# Allegro board MM851_V1.0_180330.brd
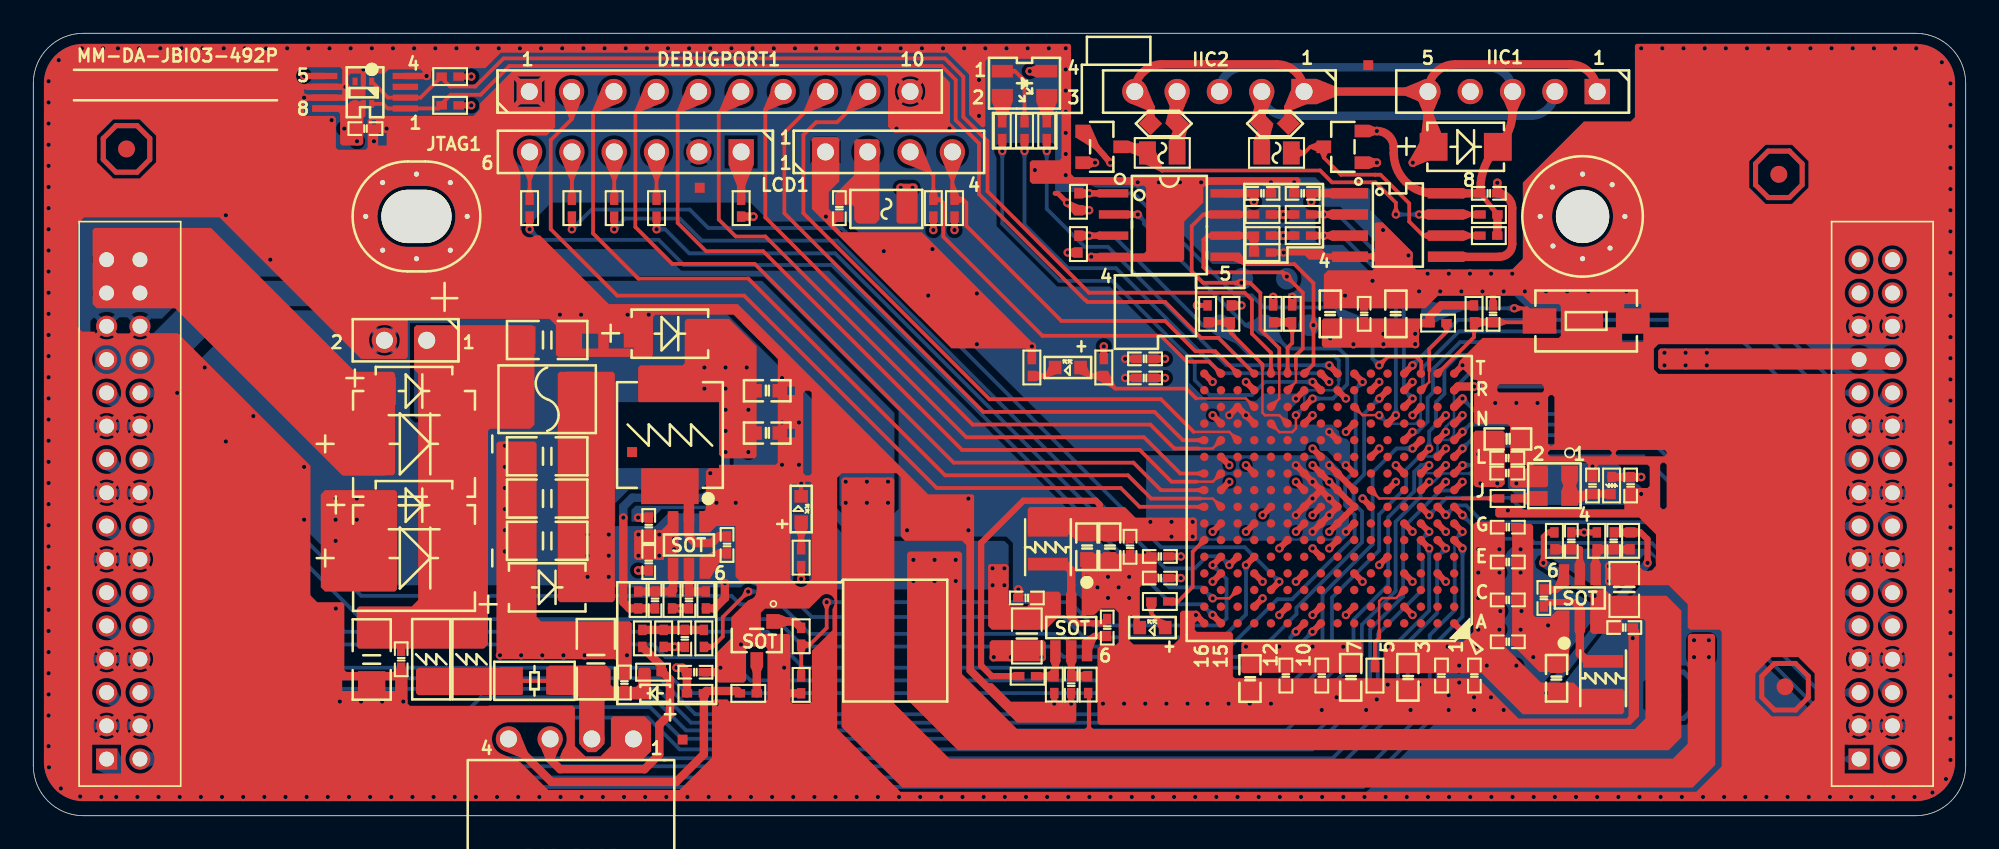
[diagram p0: board, top side]
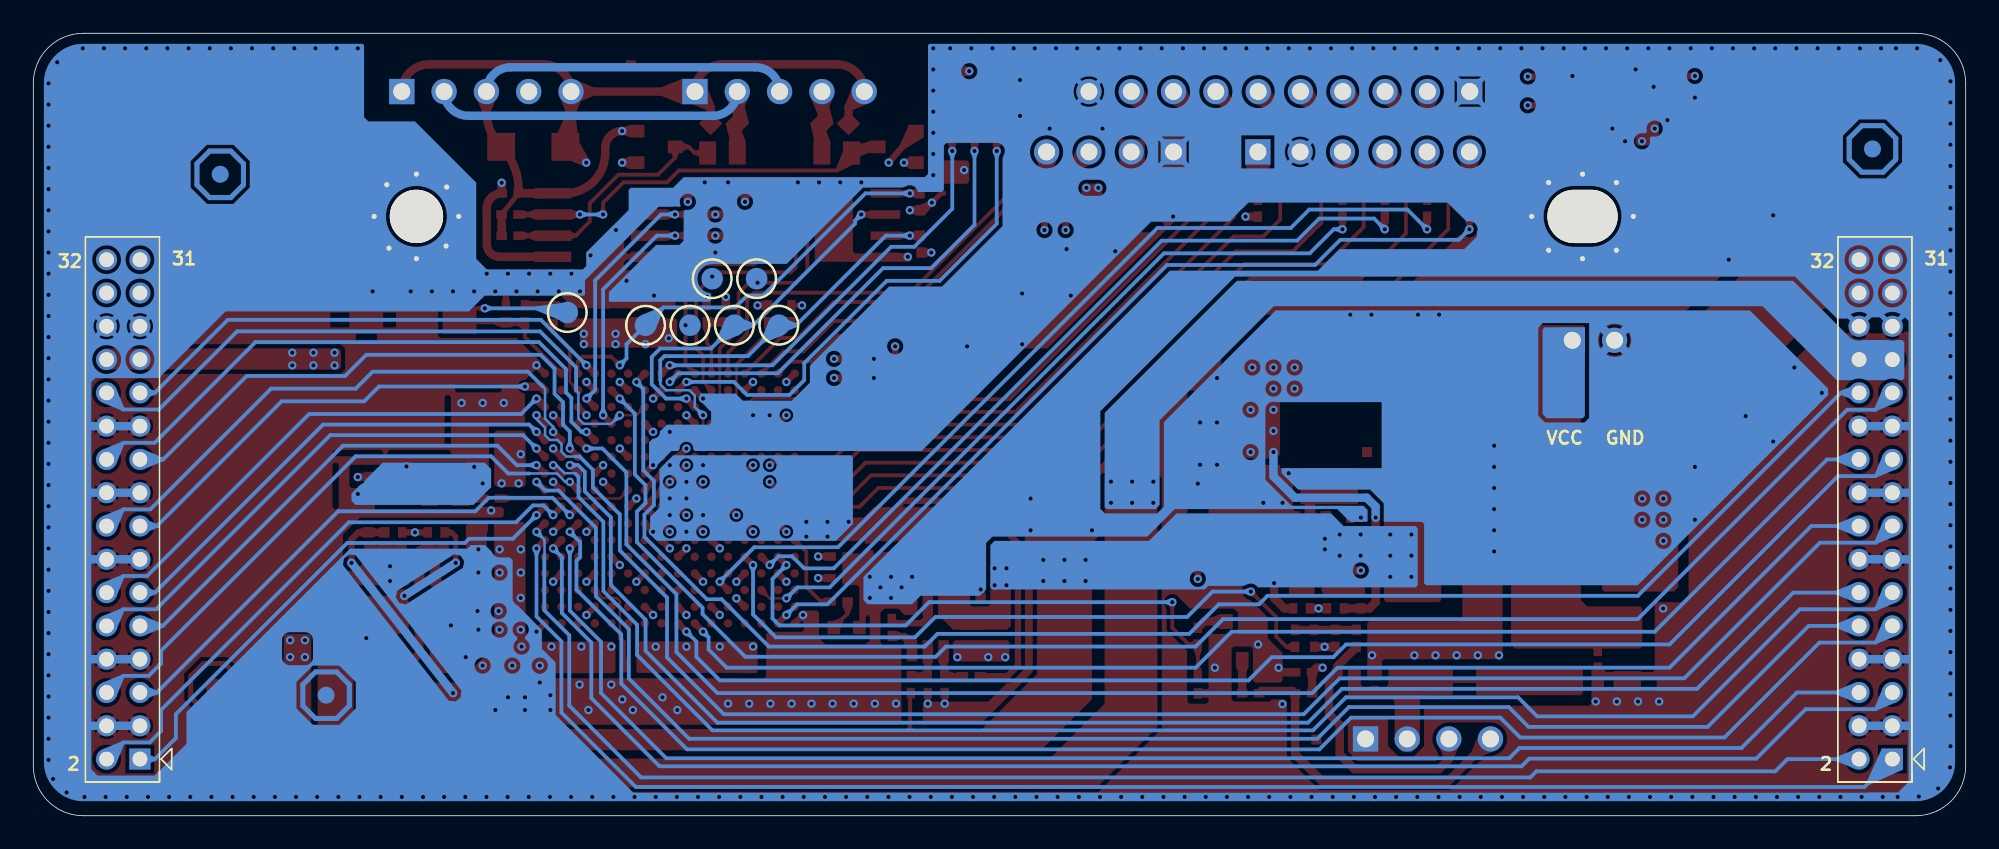
[diagram p1: board, bottom side, seen from below]

Outline 116 x 47 mm; copper layers: TOP, ART02, ART03, BOTTOM. Coordinates in mm from the lower left corner of the outline.
Outline path: 0,44 0,3 arc(0.88,0.88) 3,0 113,0 arc(115.12,0.88) 116,3 116,44 arc(115.12,46.12) 113,47 3,47 arc(0.88,46.12) 0,44

## Placement (name value [footprint] x y rotation side)
C1  100nF/16V  [C0402]  19.94 41.27 180 top
C2  100nF/16V  [C0402]  93.6 19.84 270 top
C3  100nF/16V  [C0402]  95.89 19.84 90 top
C4  4.7uF/6.3V  [C0603]  79.08 8.31 90 top
C5  4.7uF/6.3V  [C0603]  73.04 8.24 90 top
C6  100nF/16V  [C0402]  77.35 8.42 90 top
C7  100nF/16V  [C0402]  75.19 8.42 90 top
C8  4.7uF/6.3V  [C0603]  64.62 16.15 90 top
C9  100nF/16V  [C0402]  65.84 16.15 90 top
C10  4.7uF/6.3V  [C0603]  88.52 22.63 180 top
C11  100nF/16V  [C0402]  88.48 21.49 180 top
C12  100nF/16V  [C0402]  88.51 15.24 180 top
C13  100nF/16V  [C0402]  88.48 20.58 180 top
C14  100nF/16V  [C0402]  79.89 30.15 270 top
C15  100nF/16V  [C0402]  66.74 26.3 0 top
C16  100nF/16V  [C0402]  67.63 15.57 0 top
C17  100nF/16V  [C0402]  66.74 27.44 0 top
C18  100nF/16V  [C0402]  67.63 14.27 0 top
C19  4.7uF/6.3V  [C0603]  81.79 30.15 270 top
C20  4.7uF/6.3V  [C0603]  77.86 30.15 270 top
C21  4.7uF/6.3V  [C0603]  82.52 8.31 90 top
C22  100nF/16V  [C0402]  84.53 8.42 90 top
C23  100nF/16V  [C0402]  86.51 8.42 90 top
C24  100nF/16V  [C0402]  88.51 17.33 180 top
C25  100nF/16V  [C0402]  88.51 12.96 180 top
C26  100nF/16V  [C0402]  88.51 10.45 180 top
C27  100nF/16V  [C0402]  87.38 37.39 180 top
C28  100nF/16V  [C0402]  76.2 37.39 0 top
C29  22uF/16V  [C1206]  20.31 9.38 90 top
C30  100nF/16V  [C0402]  22.08 9.4 90 top
C31  22uF/16V  [C1206]  33.77 9.4 270 top
C32  100nF/16V  [C0402]  35.48 8 270 top
C33  100nF/16V  [C0402]  39.74 8.62 180 top
C34  330pF/25V  [C0402]  39.11 10.65 90 top
C35  100nF/16V  [C0402]  73.79 37.39 180 top
C36  100nF/16V  [C0402]  87.63 30.15 270 top
C37  100nF/16V_NL  [C0402]  48.39 36.5 90 top
C38  22uF/16V  [C1206]  30.85 16.51 0 top
C39  100nF/16V  [C0402]  36.94 15.24 90 top
C40  22uF/16V  [C1206]  30.85 21.59 0 top
C41  22uF/16V  [C1206]  30.85 28.57 180 top
C42  100nF/25V  [C0402]  41.64 16.26 270 top
C43  100nF/25V  [C0402]  36.94 17.4 270 top
C44  22uF/16V  [C1206]  30.85 19.05 0 top
C45  100nF/25V/NL  [C0402]  39.36 12.96 90 top
C46  22uF/6.3V  [C0603]  44.06 22.99 180 top
C47  22uF/6.3V  [C0603]  44.06 25.53 180 top
C48  10pF/50V  [C0402]  37.32 12.96 90 top
C49  100nF/25V  [C0402]  90.68 13.08 90 top
C50  100nF/25V  [C0402]  95.5 11.3 180 top
C51  10uF/16V  [C0805]  95.5 13.59 270 top
C52  100nF/25V/NL  [C0402]  92.33 16.51 270 top
C53  22uF/6.3V  [C0603]  91.44 8.26 270 top
C54  10pF/50V  [C0402]  94.87 16.51 270 top
C55  100nF/25V  [C0402]  64.47 11.3 270 top
C56  100nF/25V  [C0402]  59.64 13.08 0 top
C57  10uF/16V  [C0805]  59.64 10.79 90 top
C58  100nF/25V/NL  [C0402]  62.31 7.87 90 top
C59  22uF/6.3V  [C0603]  63.25 16.15 90 top
CON1  +12VIN_NL  [HEAD2-100]  23.62 28.56 180 top
D1  BAV99  [SOT23-3-43]  64.14 40.18 270 top
D2  BAV99  [SOT23-3-43]  78.61 40.18 90 top
D3  SS34_NL  [D3224-105]  22.85 15.48 0 top
D4  APD340VR  [D2010-89]  22.85 18.65 0 top
D5  SS34_NL  [D3224-105]  22.85 22.34 0 top
D6  APD340VR  [D2010-89]  22.85 25.51 0 top
D7  PMEG2005EB  [SOD523-2-28]  37.33 7.35 180 top
DATA1  CON16x2  [HEAD2X16-79]  109.6 3.4 180 bottom
DATA2  CON16x2  [HEAD2X16-79]  4.4 3.4 180 bottom
DEBUGPORT1  CON10_NL  [HEAD10-100]  37.39 43.5 0 top
E1  ESD Pattern  [ESD]  67.86 41.58 180 top
E2  ESD Pattern  [ESD]  74.54 41.58 0 top
F1  200mA_NL  [F1206]  51.21 36.45 0 top
F2  1000mA  [F1812]  30.85 25.02 0 top
FAN1  CON4  [HEAD4-98-240-H]  36.03 4.61 180 top
FB1  600R_0.15A  [FB0402]  94.74 19.84 270 top
FB2  120R_3A  [FB1206]  26.3 9.4 270 top
FB3  120R_3A  [FB1206]  23.89 9.4 270 top
H1  Hole  [HOLE-M3-NP]  93 36 90 top
H2  Hole  [HOLE-M3-NP-OB]  23 36 90 top
IIC1  CON5  [HEAD5-100]  83.72 43.5 180 top
IIC2  CON5  [HEAD5-100]  66.12 43.5 180 top
JTAG1  head6-100_NL  [HEAD6-100]  42.49 39.88 180 top
L1  3.3uH/4.7uH  [PL0606-027]  38.21 22.87 180 top
L2  2.2uH  [PL0303-017]  94.23 8.26 270 top
L3  2.2uH  [PL0303-017]  60.91 16.13 90 top
LCD1  CON4_NL  [HEAD4-100]  47.55 39.88 0 top
LED1  LED RGB SMD  [LED4-3528-021]  59.5 44 180 top
LED2  GREEN  [LED0603]  67.18 11.3 180 top
LED3  GREEN  [LED0603]  62.1 26.92 180 top
LED4  GREEN  [LED0603]  46.09 18.42 90 top
NOREF  -  []  48.11 185.16 0 top
NOREF#2  -  [unnamed#2]  35.94 21.84 180 top
NOREF#3  -  [unnamed#2]  40.01 37.72 180 top
NOREF#4  -  []  158.37 97.61 90 top
NOREF#5  -  [unnamed#3]  105.16 7.75 0 top
NOREF#6  -  []  19.03 142.21 0 top
NOREF#7  -  [unnamed#3]  104.78 38.53 0 top
NOREF#8  -  [unnamed#3]  5.59 40.05 0 top
NOREF#9  -  [unnamed#2]  80.14 45.09 180 top
NOREF#10  -  [unnamed#2]  38.98 4.57 180 top
NOREF#11  -  [unnamed#3]  5.59 40.05 180 bottom
NOREF#12  -  [unnamed#3]  104.78 38.53 180 bottom
NOREF#13  -  [unnamed#3]  98.42 7.24 180 bottom
PS1  100mA  [F0805]  67.77 39.81 180 top
PS2  100mA  [F0805]  74.63 39.81 0 top
Q1  NMBT3904  [SOT23-3-43]  43.43 10.53 180 top
R1  4.7K  [R0402]  74.43 30.15 270 top
R2  NC  [R0402]  75.57 30.15 270 top
R3  NC  [R0402]  71.89 30.15 270 top
R4  220R  [R0402]  59.5 41.15 90 top
R5  100R  [R0402]  70.49 30.15 270 top
R6  220R  [R0402]  58.17 41.15 90 top
R7  220R  [R0402]  60.84 41.15 90 top
R8  4.7K  [R0402]  84.33 29.59 0 top
R9  4.7K  [R0402]  80.54 8.42 90 top
R10  4.7K  [R0402]  25.02 44.4 180 top
R11  4.7K  [R0402]  25.02 42.67 180 top
R12  220R  [R0402]  67.63 12.87 180 top
R13  51R  [R0402]  88.5 19.06 0 top
R14  2K  [R0402]  87.38 34.85 0 top
R15  2K  [R0402]  87.38 36.12 0 top
R16  2K  [R0402]  76.2 36.12 180 top
R17  2K  [R0402]  76.2 34.85 180 top
R18  1.8K  [R0402]  39.74 7.35 0 top
R19  100R  [R0402]  42.92 7.35 0 top
R20  0R/NL  [R1206]  30.09 8.1 180 top
R21  4.7K  [R0402]  37.2 8.62 180 top
R22  1K  [R0402]  46.09 10.78 270 top
R23  270R  [R0402]  46.09 7.86 90 top
R24  10K  [R0402]  36.56 10.65 270 top
R25  100R  [R0402]  40.25 10.65 90 top
R26  4.7K  [R0402]  37.84 10.65 90 top
R27  1.8K  [R0402]  62.74 34.34 90 top
R28  1.8K  [R0402]  73.79 36.12 180 top
R29  100R  [R0402]  73.79 34.85 0 top
R30  100R  [R0402]  73.79 33.83 180 top
R31  4.7K  [R0402]  62.74 36.88 270 top
R32  510R  [R0402]  64.26 26.92 270 top
R33  270R  [R0402]  59.94 26.92 90 top
R34  4.7K  [R0402]  86.49 30.15 270 top
R35  100R  [R0402]  29.79 36.5 90 top
R36  100R  [R0402]  32.33 36.5 90 top
R37  100R  [R0402]  34.87 36.5 90 top
R38  100R  [R0402]  37.41 36.5 90 top
R39  0R  [R0402]  42.49 36.5 90 top
R40  820R_NL  [R0402]  54.03 36.5 270 top
R41  820R_NL  [R0402]  55.3 36.5 270 top
R42  220R  [R0402]  46.09 15.5 270 top
R43  10K  [R0402]  40.37 12.96 90 top
R44  75K/1%  [R0402]  36.31 12.96 270 top
R45  24K/1%  [R0402]  38.34 12.96 90 top
R46  10K  [R0402]  91.31 16.51 270 top
R47  30K/1%  [R0402]  95.89 16.51 90 top
R48  24K/1%  [R0402]  93.85 16.51 270 top
R49  10K  [R0402]  63.32 7.87 90 top
R50  12K/1%  [R0402]  59.69 8.38 180 top
R51  24K/1%  [R0402]  61.29 7.87 90 top
SW1  KEY_NL  [SW2-0635-X-V]  93.22 29.72 0 top
TP1  TP  [SMD_TP_2]  79.25 29.46 180 bottom
TP2  TP  [SMD_TP_2]  75.25 32.26 180 bottom
TP3  TP  [SMD_TP_2]  76.58 29.46 180 bottom
TP4  TP  [SMD_TP_2]  73.91 29.46 180 bottom
TP5  TP  [SMD_TP_2]  71.25 29.46 180 bottom
TP6  TP  [SMD_TP_2]  72.58 32.26 180 bottom
TP7  TP  [SMD_TP_2]  83.95 30.23 180 bottom
TVS1  SMAJ5.0A  [D2010-89]  85.99 40.18 0 top
TVS2  SMAJ15A  [D2010-89]  30.85 13.72 0 top
TVS3  SMAJ5.0A  [D2010-89]  38.21 28.96 0 top
U1  XC6SLX25-2FTG256C  [BGA256-100-1717-021]  77.79 19.06 90 top
U2  TMP102  [SOT563-6-24]  19.81 43.43 270 top
U4  ISO1540  [SOP8-50-157-70]  81.92 35.48 270 top
U5  W25Q16JVSSIQ  [SOP8-50-210-85]  68.2 35.48 270 top
U6  RT6212AHGJ6F/RT6212BHGJ6F  [SOT23-6-49]  39.36 16.26 270 top
U7  RT6212AHGJ6F/RT6212BHGJ6F  [SOT23-6-49]  92.84 13.08 90 top
U8  RT6212AHGJ6F/RT6212BHGJ6F  [SOT23-6-49]  62.31 11.3 270 top
U9  LM75BDP  [SOP8-26-120-43]  19.91 43.46 180 top
Y1  25MHz_1.8V_2520  [X4-2520-010]  91.31 19.82 180 top

## Library data of the parts
C1-C3 C6 C7 C9 C11-C18 C22-C28 C30 C32 C33 C35-C37 C39 C42 C43 C45 C48-C50 C52 C54-C56 C58 = C0402-0.1uF/16V
C4 C5 C8 C10 C19-C21 = C0603-4.7uF/6.3V
C29 C31 C38 C40 C41 C44 C46 C47 C51 C53 C57 C59 = C1206-22uF/16V
C34 = C0402-33pF
CON1 = CON2
D1 D2 = DIODE_BAV99
D3-D7 TVS1-TVS3 = DIODE SCHOTTKY
DATA1 DATA2 = CON_2X16
DEBUGPORT1 = CON10
E1 E2 = ESD_PATTERN
F1 F2 = FUSE
FAN1 LCD1 = CON4
FB1-FB3 = FB
H1 H2 = Hole_3
IIC1 IIC2 = CON4_0
JTAG1 = head6-100
L1-L3 = PL0606-027-4.7uH
LED1 = LED RGB SMD_0
LED2-LED4 = LED_0
PS1 PS2 = MINI-FUSE
Q1 = NPN_0
R1 R8-R11 R21 R26 R31 R34-R38 = R0402-4.7K
R2-R7 R33 = R0402-1.54K/1%
R12 R42 = R0402-220R
R13 = R0402-51R
R14-R17 R40 R41 = R0402-820R
R18 R19 R22 R23 = R0402-1K_0
R20 R32 R43-R51 = R
R24 = R0402-10K
R25 = R0402-100K
R27 R28 = R0402-1_0.8K
R29 R30 = R0402-31.6K/1%
R39 = R0402-0R
SW1 = KEY
TP1-TP7 = TEST POINT, SMD circle 35 mils
U1 = IC_FPGA_XC6SLX25-2FTG256C
U2 = IC_I2C_TEMP_SENSOR
U4 = IC_ISOLATOR_ISO1540
U5 = W25Q80BV
U6-U8 = IC_REG_TPS562201_0
U9 = IC_TEMP_SENSOR_LM75BDP
Y1 = OSC

## Footprints (pads in the part's own frame, mm; a bottom-side part is the same pattern mirrored in y, then rotated)
BGA256-100-1717-021
  round 0.508 smd: A1(-7.5,-7.5) A2(-7.5,-6.5) A3(-7.5,-5.5) A4(-7.5,-4.5) A5(-7.5,-3.5) A6(-7.5,-2.5) A7(-7.5,-1.5) A8(-7.5,-0.5) A9(-7.5,0.5) A10(-7.5,1.5) A11(-7.5,2.5) A12(-7.5,3.5) A13(-7.5,4.5) A14(-7.5,5.5) A15(-7.5,6.5) A16(-7.5,7.5) B1(-6.5,-7.5) B2(-6.5,-6.5) B3(-6.5,-5.5) B4(-6.5,-4.5) B5(-6.5,-3.5) B6(-6.5,-2.5) B7(-6.5,-1.5) B8(-6.5,-0.5) B9(-6.5,0.5) B10(-6.5,1.5) B11(-6.5,2.5) B12(-6.5,3.5) B13(-6.5,4.5) B14(-6.5,5.5) B15(-6.5,6.5) B16(-6.5,7.5) C1(-5.5,-7.5) C2(-5.5,-6.5) C3(-5.5,-5.5) C4(-5.5,-4.5) C5(-5.5,-3.5) C6(-5.5,-2.5) C7(-5.5,-1.5) C8(-5.5,-0.5) C9(-5.5,0.5) C10(-5.5,1.5) C11(-5.5,2.5) C12(-5.5,3.5) C13(-5.5,4.5) C14(-5.5,5.5) C15(-5.5,6.5) C16(-5.5,7.5) D1(-4.5,-7.5) D2(-4.5,-6.5) D3(-4.5,-5.5) D4(-4.5,-4.5) D5(-4.5,-3.5) D6(-4.5,-2.5) D7(-4.5,-1.5) D8(-4.5,-0.5) D9(-4.5,0.5) D10(-4.5,1.5) D11(-4.5,2.5) D12(-4.5,3.5) D13(-4.5,4.5) D14(-4.5,5.5) D15(-4.5,6.5) D16(-4.5,7.5) E1(-3.5,-7.5) E2(-3.5,-6.5) E3(-3.5,-5.5) E4(-3.5,-4.5) E5(-3.5,-3.5) E6(-3.5,-2.5) E7(-3.5,-1.5) E8(-3.5,-0.5) E9(-3.5,0.5) E10(-3.5,1.5) E11(-3.5,2.5) E12(-3.5,3.5) E13(-3.5,4.5) E14(-3.5,5.5) E15(-3.5,6.5) E16(-3.5,7.5) F1(-2.5,-7.5) F2(-2.5,-6.5) F3(-2.5,-5.5) F4(-2.5,-4.5) F5(-2.5,-3.5) F6(-2.5,-2.5) F7(-2.5,-1.5) F8(-2.5,-0.5) F9(-2.5,0.5) F10(-2.5,1.5) F11(-2.5,2.5) F12(-2.5,3.5) F13(-2.5,4.5) F14(-2.5,5.5) F15(-2.5,6.5) F16(-2.5,7.5) G1(-1.5,-7.5) G2(-1.5,-6.5) G3(-1.5,-5.5) G4(-1.5,-4.5) G5(-1.5,-3.5) G6(-1.5,-2.5) G7(-1.5,-1.5) G8(-1.5,-0.5) G9(-1.5,0.5) G10(-1.5,1.5) G11(-1.5,2.5) G12(-1.5,3.5) G13(-1.5,4.5) G14(-1.5,5.5) G15(-1.5,6.5) G16(-1.5,7.5) H1(-0.5,-7.5) H2(-0.5,-6.5) H3(-0.5,-5.5) H4(-0.5,-4.5) H5(-0.5,-3.5) H6(-0.5,-2.5) H7(-0.5,-1.5) H8(-0.5,-0.5) H9(-0.5,0.5) H10(-0.5,1.5) H11(-0.5,2.5) H12(-0.5,3.5) H13(-0.5,4.5) H14(-0.5,5.5) H15(-0.5,6.5) H16(-0.5,7.5) J1(0.5,-7.5) J2(0.5,-6.5) J3(0.5,-5.5) J4(0.5,-4.5) J5(0.5,-3.5) J6(0.5,-2.5) J7(0.5,-1.5) J8(0.5,-0.5) J9(0.5,0.5) J10(0.5,1.5) J11(0.5,2.5) J12(0.5,3.5) J13(0.5,4.5) J14(0.5,5.5) J15(0.5,6.5) J16(0.5,7.5) K1(1.5,-7.5) K2(1.5,-6.5) K3(1.5,-5.5) K4(1.5,-4.5) K5(1.5,-3.5) K6(1.5,-2.5) K7(1.5,-1.5) K8(1.5,-0.5) K9(1.5,0.5) K10(1.5,1.5) K11(1.5,2.5) K12(1.5,3.5) K13(1.5,4.5) K14(1.5,5.5) K15(1.5,6.5) K16(1.5,7.5) L1(2.5,-7.5) L2(2.5,-6.5) L3(2.5,-5.5) L4(2.5,-4.5) L5(2.5,-3.5) L6(2.5,-2.5) L7(2.5,-1.5) L8(2.5,-0.5) L9(2.5,0.5) L10(2.5,1.5) L11(2.5,2.5) L12(2.5,3.5) L13(2.5,4.5) L14(2.5,5.5) L15(2.5,6.5) L16(2.5,7.5) M1(3.5,-7.5) M2(3.5,-6.5) M3(3.5,-5.5) M4(3.5,-4.5) M5(3.5,-3.5) M6(3.5,-2.5) M7(3.5,-1.5) M8(3.5,-0.5) M9(3.5,0.5) M10(3.5,1.5) M11(3.5,2.5) M12(3.5,3.5) M13(3.5,4.5) M14(3.5,5.5) M15(3.5,6.5) M16(3.5,7.5) N1(4.5,-7.5) N2(4.5,-6.5) N3(4.5,-5.5) N4(4.5,-4.5) N5(4.5,-3.5) N6(4.5,-2.5) N7(4.5,-1.5) N8(4.5,-0.5) N9(4.5,0.5) N10(4.5,1.5) N11(4.5,2.5) N12(4.5,3.5) N13(4.5,4.5) N14(4.5,5.5) N15(4.5,6.5) N16(4.5,7.5) P1(5.5,-7.5) P2(5.5,-6.5) P3(5.5,-5.5) P4(5.5,-4.5) P5(5.5,-3.5) P6(5.5,-2.5) P7(5.5,-1.5) P8(5.5,-0.5) P9(5.5,0.5) P10(5.5,1.5) P11(5.5,2.5) P12(5.5,3.5) P13(5.5,4.5) P14(5.5,5.5) P15(5.5,6.5) P16(5.5,7.5) R1(6.5,-7.5) R2(6.5,-6.5) R3(6.5,-5.5) R4(6.5,-4.5) R5(6.5,-3.5) R6(6.5,-2.5) R7(6.5,-1.5) R8(6.5,-0.5) R9(6.5,0.5) R10(6.5,1.5) R11(6.5,2.5) R12(6.5,3.5) R13(6.5,4.5) R14(6.5,5.5) R15(6.5,6.5) R16(6.5,7.5) T1(7.5,-7.5) T2(7.5,-6.5) T3(7.5,-5.5) T4(7.5,-4.5) T5(7.5,-3.5) T6(7.5,-2.5) T7(7.5,-1.5) T8(7.5,-0.5) T9(7.5,0.5) T10(7.5,1.5) T11(7.5,2.5) T12(7.5,3.5) T13(7.5,4.5) T14(7.5,5.5) T15(7.5,6.5) T16(7.5,7.5)
C0402
  rect 0.635x0.508 smd: 1(-0.508,0) 2(0.508,0)
C0603
  rect 0.889x0.813 smd: 1(-0.762,0) 2(0.762,0)
C0805
  rect 1.016x1.397 smd: 1(-0.889,0) 2(0.889,0)
C1206
  rect 1.397x1.651 smd: 1(-1.397,0) 2(1.397,0)
D2010-89
  rect 1.676x1.676 smd: 1(-1.928,0) 2(1.928,0)
D3224-105
  rect 2.54x3.81 smd: 1(-2.979,0) 2(2.979,0)
ESD
  custom 1.416x1.416 smd: 1(-0.8,0) 2(0.8,0)
F0805
  rect 1.016x1.397 smd: 1(-0.889,0) 2(0.889,0)
F1206
  rect 1.143x1.651 smd: 1(-1.27,0) 2(1.27,0)
F1812
  rect 1.524x3.302 smd: 1(-1.905,0) 2(1.905,0)
FB0402
  rect 0.635x0.508 smd: 1(-0.508,0) 2(0.508,0)
FB1206
  rect 1.397x1.651 smd: 1(-1.397,0) 2(1.397,0)
HEAD2-100
  rect 1.524x1.524 hole 1.016: 1(0,0)
  round 1.524 hole 1.016: 2(2.54,0)
HEAD2X16-79
  rect 1.27x1.27 hole 0.889: 1(0,0)
  round 1.27 hole 0.889: 2(-2,0) 3(0,2) 4(-2,2) 5(0,4) 6(-2,4) 7(0,6) 8(-2,6) 9(0,8) 10(-2,8) 11(0,10) 12(-2,10) 13(0,12) 14(-2,12) 15(0,14) 16(-2,14) 17(0,16) 18(-2,16) 19(0,18) 20(-2,18) 21(0,20) 22(-2,20) 23(0,22) 24(-2,22) 25(0,24) 26(-2,24) 27(0,26) 28(-2,26) 29(0,27.999) 30(-2,27.999) 31(0,29.999) 32(-2,29.999)
HEAD4-98-240-H
  rect 1.524x1.524 hole 1.016: 1(0,0)
  round 1.524 hole 1.016: 2(2.5,0) 3(5,0) 4(7.5,0)
HEAD4-100
  rect 1.524x1.524 hole 1.016: 1(0,0)
  round 1.524 hole 1.016: 2(2.54,0) 3(5.08,0) 4(7.62,0)
HEAD5-100
  rect 1.524x1.524 hole 1.016: 1(-10.16,0)
  round 1.524 hole 1.016: 2(-7.62,0) 3(-5.08,0) 4(-2.54,0) 5(0,0)
HEAD6-100
  rect 1.524x1.524 hole 1.016: 1(0,0)
  round 1.524 hole 1.016: 2(2.54,0) 3(5.08,0) 4(7.62,0) 5(10.16,0) 6(12.7,0)
HEAD10-100
  rect 1.524x1.524 hole 1.016: 1(-7.62,0)
  round 1.524 hole 1.016: 2(-5.08,0) 3(-2.54,0) 4(0,0) 5(2.54,0) 6(5.08,0) 7(7.62,0) 8(10.16,0) 9(12.7,0) 10(15.24,0)
HOLE-M3-NP
  round 3.2 hole 3.2 unplated: (0,0)
  round 1.27 hole 0.305: 1(-2.54,0) 2(-1.778,1.778) 3(0,2.54) 4(1.764,1.815) 5(2.54,0) 6(1.905,-1.778) 7(0,-2.54) 8(-1.905,-1.651)
HOLE-M3-NP-OB
  oval 3.2x4.216 hole 3.2x4.216 unplated: (0,0)
  round 1.27 hole 0.305: 1(0,3.048) 2(2.032,2.032) 3(2.54,0) 4(2.032,-2.032) 5(0,-3.048) 6(-2.032,-2.032) 7(-2.54,0) 8(-2.032,2.032)
LED4-3528-021
  rect 1.27x0.762 smd: 1(1.335,-0.725) 2(1.335,0.725) 3(-1.335,0.725) 4(-1.335,-0.725)
LED0603
  rect 0.762x0.813 smd: 1(-0.762,0) 2(0.762,0)
PL0303-017
  rect 0.762x2.413 smd: 1(-1.016,0) 2(1.016,0)
PL0606-027
  rect 3.454x2.159 smd: 1(0,3.075) 2(0,-3.075)
R0402
  rect 0.635x0.508 smd: 1(-0.508,0) 2(0.508,0)
R1206
  rect 1.397x1.651 smd: 1(-1.397,0) 2(1.397,0)
SMD_TP_2
  round 1.3 smd: 1(0,0)
SOD523-2-28
  rect 0.508x0.406 smd: 1(-0.889,0) 2(0.889,0)
SOP8-26-120-43
  rect 1.524x0.381 smd: 1(-2.419,0.975) 2(-2.419,0.325) 3(-2.419,-0.325) 4(-2.419,-0.975) 5(2.419,-0.975) 6(2.419,-0.325) 7(2.419,0.325) 8(2.419,0.975)
SOP8-50-157-70
  rect 0.635x2.159 smd: 1(-1.905,-2.87) 2(-0.635,-2.87) 3(0.635,-2.87) 4(1.905,-2.87) 5(1.905,2.87) 6(0.635,2.87) 7(-0.635,2.87) 8(-1.905,2.87)
SOP8-50-210-85
  rect 0.508x1.778 smd: 1(-1.905,-3.35) 2(-0.635,-3.35) 3(0.635,-3.35) 4(1.905,-3.35) 5(1.905,3.35) 6(0.635,3.35) 7(-0.635,3.35) 8(-1.905,3.35)
SOT23-3-43
  rect 0.762x0.889 smd: 1(-0.95,-1.143) 2(0.95,-1.143) 3(0,1.143)
SOT23-6-49
  rect 1.27x0.635 smd: 1(-1.397,0.95) 2(-1.397,0) 3(-1.397,-0.95) 4(1.397,-0.95) 5(1.397,0) 6(1.397,0.95)
SOT563-6-24
  rect 0.457x0.305 smd: 1(-0.675,0.5) 2(-0.675,0) 3(-0.675,-0.5) 4(0.675,-0.5) 5(0.675,0) 6(0.675,0.5)
SW2-0635-X-V
  rect 2.032x1.524 smd: 1(2.8,0) 2(-2.8,0)
unnamed#2
  rect 0.6x0.6 smd: 0(0,0)
unnamed#3
  round 1.016 smd: 1(0,0)
X4-2520-010
  rect 1.016x0.889 smd: 1(-0.914,-0.762) 2(0.914,-0.762) 3(0.914,0.762) 4(-0.914,0.762)

## Nets
GND: C1.1 C2.1 C3.1 C4.1 C5.1 C6.1 C7.1 C8.1 C9.1 C10.1 C11.1 C12.1 C13.1 C14.1 C15.1 C16.1 C17.1 C18.1 C19.1 C20.1 C21.1 C22.1 C23.1 C24.1 C25.1 C26.1 C28.1 C29.1 C30.1 C31.1 C32.1 C33.1 C34.1 C35.1 C36.1 C37.1 C38.1 C39.1 C40.1 C41.1 C43.1 C44.1 C45.1 C46.1 C47.1 C50.1 C51.1 C52.1 C53.1 C56.1 C57.1 C58.1 C59.1 CON1.2 DATA1.3 DATA1.4 DATA1.7 DATA1.8 DATA1.13 DATA1.14 DATA1.17 DATA1.18 DATA1.21 DATA1.22 DATA1.27 DATA1.28 DATA2.3 DATA2.4 DATA2.7 DATA2.8 DATA2.13 DATA2.14 DATA2.17 DATA2.18 DATA2.21 DATA2.22 DATA2.27 DATA2.28 DEBUGPORT1.1 DEBUGPORT1.10 FAN1.1 H1.1 H1.2 H1.3 H1.4 H1.5 H1.6 H1.7 H1.8 H2.1 H2.2 H2.3 H2.4 H2.5 H2.6 H2.7 H2.8 JTAG1.2 LCD1.1 LED2.2 LED4.2 Q1.2(E) R2.1 R5.1 R9.1 R23.1 R26.1 R30.1 R33.2 R45.1 R48.1 R51.1 SW1.1 TVS2.1(A) TVS3.1(A) U1.A1(GND1) U1.A16(GND2) U1.B7(GND4) U1.B11(GND3) U1.D4(GND6) U1.D13(GND5) U1.E9(GND7) U1.G2(GND9) U1.G8(GND10) U1.G15(GND8) U1.H7(GND12) U1.H9(GND13) U1.H12(GND11) U1.J5(GND14) U1.J8(GND15) U1.K7(GND16) U1.K9(GND17) U1.L2(GND19) U1.L15(GND18) U1.M8(GND20) U1.N13(GND21) U1.P3(GND22) U1.P14(SUSPEND) U1.R6(GND24) U1.R10(GND23) U1.T1(GND25) U1.T16(GND26) U2.2(GND) U4.4(GND1) U5.4(GND) U6.1(GND) U7.1(GND) U8.1(GND) U9.4(GND) U9.6(A1) U9.7(A0) Y1.2(GND)
GND_IIC: C27.1 D1.1 D2.1 E1.2 E2.2 IIC1.1 IIC1.5 IIC2.1 IIC2.5 TVS1.1(A) U4.5(GND2)
VCC1V2: C8.2 C9.2 C59.2 L3.2 R50.2 U1.G7(VCCINT_0) U1.G9(VCCINT_1) U1.H8(VCCINT_3) U1.H10(VCCINT_2) U1.J7(VCCINT_4) U1.J9(VCCINT_5) U1.K8(VCCINT_7) U1.K10(VCCINT_6)
VCC3V3: C1.2 C14.2 C15.2 C16.2 C17.2 C18.2 C19.2 C20.2 C28.2 C33.2 C35.2 C46.2 C47.2 C48.1 F1.2 L1.2 LED1.4 R1.1 R3.1 R8.1 R10.1 R11.1 R16.2 R17.2 R18.1 R27.1 R28.1 R29.2 R31.2 R32.1 R34.1 R39.1 R40.2 R41.2 R42.2 R44.2 TVS3.2(K) U1.D15(VCCO_1_0) U1.E5(VCCAUX_0) U1.F8(VCCAUX_2) U1.F11(VCCAUX_1) U1.G10(VCCAUX_3) U1.G13(VCCO_1_1) U1.H6(VCCAUX_4) U1.J10(VCCAUX_5) U1.J15(VCCO_1_2) U1.K13(VCCO_1_3) U1.L6(VCCAUX_6) U1.L9(VCCAUX_7) U1.N7(VCCO_2_1) U1.N10(VCCO_2_0) U1.N15(VCCO_1_4) U1.R4(VCCO_2_2) U1.R8(VCCO_2_3) U1.R13(VCCO_1_5) U2.4(ADD0) U2.5(V+) U4.1(VCC1) U5.8(VCC) U9.5(A2) U9.8(VCC)
VCC12V: C38.2 C39.2 C40.2 C43.2 C44.2 C50.2 C51.2 C56.2 C57.2 F2.2 R43.1 R46.1 R49.1 TVS2.2(K) U6.3(VIN) U7.3(VIN) U8.3(VIN)
VCC12VIN: C29.2 C30.2 C41.2 CON1.1 D3.2(K) D4.2(K) D5.2(K) D6.2(K) F2.1 FB2.1 FB3.1
VCC12VIN_1: D3.1(A) D4.1(A) DATA1.29 DATA1.30 DATA1.31 DATA1.32
VCC12VIN_2: D5.1(A) D6.1(A) DATA2.29 DATA2.30 DATA2.31 DATA2.32
VCCIO: C3.2 C4.2 C5.2 C6.2 C7.2 C10.2 C11.2 C12.2 C13.2 C21.2 C22.2 C23.2 C24.2 C25.2 C26.2 C53.2 C54.1 DATA1.25 DATA1.26 DATA2.25 DATA2.26 FB1.1 L2.2 R47.2 U1.B4(VCCO_0_1) U1.B9(VCCO_0_2) U1.B13(VCCO_0_0) U1.D2(VCCO_3_0) U1.D7(VCCO_0_4) U1.D10(VCCO_0_3) U1.G4(VCCO_3_1) U1.J2(VCCO_3_2) U1.K4(VCCO_3_3) U1.N2(VCCO_3_4)
AUC_VIN: C27.2 D1.2 D2.2 IIC1.3 IIC2.3 R14.2 R15.2 TVS1.2(K) U4.8(VCC2)
CI_0: DATA2.16 U1.M3(IO_L1N_VREF_3)
CI_1: DATA2.5 U1.F2(IO_L41P_GCLK27_M3DQ4_3)
CI_2: DATA1.16 U1.M2(IO_L35P_M3DQ10_3)
CI_3: DATA1.5 U1.H3(IO_L44N_GCLK20_M3A6_3)
CO_0: DATA2.15 U1.N1(IO_L34N_M3UDQSN_3)
CO_1: DATA2.6 U1.F3(IO_L53N_M3A12_3)
CO_2: DATA1.15 U1.R1(IO_L32N_M3DQ15_3)
CO_3: DATA1.6 U1.J3(IO_L38P_M3DQ2_3)
DEBUG_P2: DEBUGPORT1.2 U1.H16(IO_L37N_A6_M1A1_1)
DEBUG_P3: DEBUGPORT1.3 U1.H15(IO_L37P_A7_M1A0_1)
DEBUG_P4: DEBUGPORT1.4 U1.J16(IO_L43N_GCLK4_M1DQ5_1)
DEBUG_P5: DEBUGPORT1.5 U1.K15(IO_L44P_A3_M1DQ6_1)
DEBUG_P6: DEBUGPORT1.6 U1.K16(IO_L44N_A2_M1DQ7_1)
DEBUG_P7: DEBUGPORT1.7 U1.M15(IO_L46P_FCS_B_M1DQ2_1)
DEBUG_P8: DEBUGPORT1.8 U1.M16(IO_L46N_FOE_B_M1DQ3_1)
DEBUG_P9: DEBUGPORT1.9 U1.M14(IO_L74N_DOUT_BUSY_1)
DI_0: DATA2.12 U1.K3(IO_L42P_GCLK25_TRDY2_M3UDM_3)
DI_1: DATA2.1 U1.F1(IO_L41N_GCLK26_M3DQ5_3)
DI_2: DATA1.12 U1.P1(IO_L33N_M3DQ13_3)
DI_3: DATA1.1 U1.H1(IO_L39N_M3LDQSN_3)
DO_0: DATA2.19 U1.A9(IO_L34N_GCLK18_0)
DO_1: DATA2.10 U1.J1(IO_L38N_M3DQ3_3)
DO_2: DATA1.19 U1.L3(IO_L36P_M3DQ8_3)
DO_3: DATA1.10 U1.L1(IO_L36N_M3DQ9_3)
FAN_PWM: FAN1.4 R18.2 R19.1
FAN_SPEED1: R25.1 U1.E13(IO_L1P_A25_1)
FP_I2C_SCL: E2.1 IIC1.2 IIC2.2 PS2.1
FP_I2C_SDA: E1.1 IIC1.4 IIC2.4 PS1.1
FPGA_CLK: R13.1 U1.J6(IO_L43P_GCLK23_M3RASN_3)
FPGA_CS: R31.1 TP1.1 U1.T3(IO_L65N_CSO_B_2) U5.1(C\S\)
FPGA_DQ0: TP4.1 U1.P10(IO_L3P_D0_DIN_MISO_MISO1_2) U5.2(DO(IO1))
FPGA_DQ1: R27.2 TP5.1 U1.N12(IO_L12P_D1_MISO2_2) U5.3(W\P\(IO2))
FPGA_DQ2: R28.2 TP6.1 U1.P12(IO_L12N_D2_MISO3_2) U5.7(H\O\L\D\(IO3))
FPGA_HSWAP: R9.2 U1.C4(IO_L1P_HSWAPEN_0)
FPGA_I2C_SCL: R17.1 U1.N5(IO_L49P_D3_2) U4.3(SCL1)
FPGA_I2C_SDA: R16.1 U1.P4(IO_L63P_2) U4.2(SDA1)
FPGA_INIT: R8.2 U1.R3(IO_L65P_INIT_B_2)
FPGA_M0: R1.2 R2.2 U1.T11(IO_L1N_M0_CMPMISO_2)
FPGA_M1: R3.2 R5.2 U1.N11(IO_L13P_M1_2)
FPGA_PWM: R22.2 R23.2 U1.E15(IO_L34P_A13_M1WE_1)
FPGA_SCK: R29.1 R30.2 TP2.1 U1.R11(IO_L1P_CCLK_2) U5.6(CLK)
FPGA_SDI: TP3.1 U1.T10(IO_L3N_MOSI_CSI_B_MISO0_2) U5.5(DI(IO0))
ISO_I2C_SCL: D2.3 PS2.2 R14.1 U4.6(SCL2)
ISO_I2C_SDA: D1.3 PS1.2 R15.1 U4.7(SDA2)
LCDSCL: LCD1.4 R41.1 U1.T14(IO_L51P_M1DQ12_1)
LCDSDA: LCD1.3 R40.1 U1.T15(IO_L50N_M1UDQSN_1)
LED_BLUE: R7.1 U1.T8(IO_L30N_GCLK0_USERCCLK_2)
LED_FPGA: R12.1 U1.F16(IO_L35N_A10_M1A2_1)
LED_GREEN: R6.1 U1.R9(IO_L23P_2)
LED_RED: R4.1 U1.T9(IO_L23N_2)
PROG_B1: C36.2 R34.2 SW1.2 TP7.1 U1.T2(PROGRAM_B_2)
RI_0: DATA2.20 U1.A10(IO_L35N_GCLK16_0)
RI_1: DATA2.9 U1.G3(IO_L40P_M3DQ6_3)
RI_2: DATA1.20 U1.M4(IO_L1P_3)
RI_3: DATA1.9 U1.K1(IO_L37N_M3DQ1_3)
RO_0: DATA2.11 U1.K2(IO_L37P_M3DQ0_3)
RO_1: DATA2.2 U1.G1(IO_L40N_M3DQ7_3)
RO_2: DATA1.11 U1.M1(IO_L35N_M3DQ11_3)
RO_3: DATA1.2 U1.H2(IO_L39P_M3LDQS_3)
TCK: R38.1 U1.C14(TCK)
TDI: R36.1 U1.C12(TDI)
TDO: R37.1 U1.E14(TDO)
TMP_SCL: R10.2 U1.T12(IO_L52N_M1DQ15_1) U2.1(SCL) U9.2(SCL)
TMP_SDA: R11.2 U1.T13(IO_L51N_M1DQ13_1) U2.6(SDA) U9.1(SDA)
TMS: R35.1 U1.A15(TMS)
UART1_RX: DATA1.23 U1.T4(IO_L63N_2)
UART1_TX: DATA1.24 U1.P7(IO_L31P_GCLK31_D14_2)
UART2_RX: DATA2.23 U1.R5(IO_L48P_D7_2)